# Allegro board reComputer J401_V1.0.brd (continued)
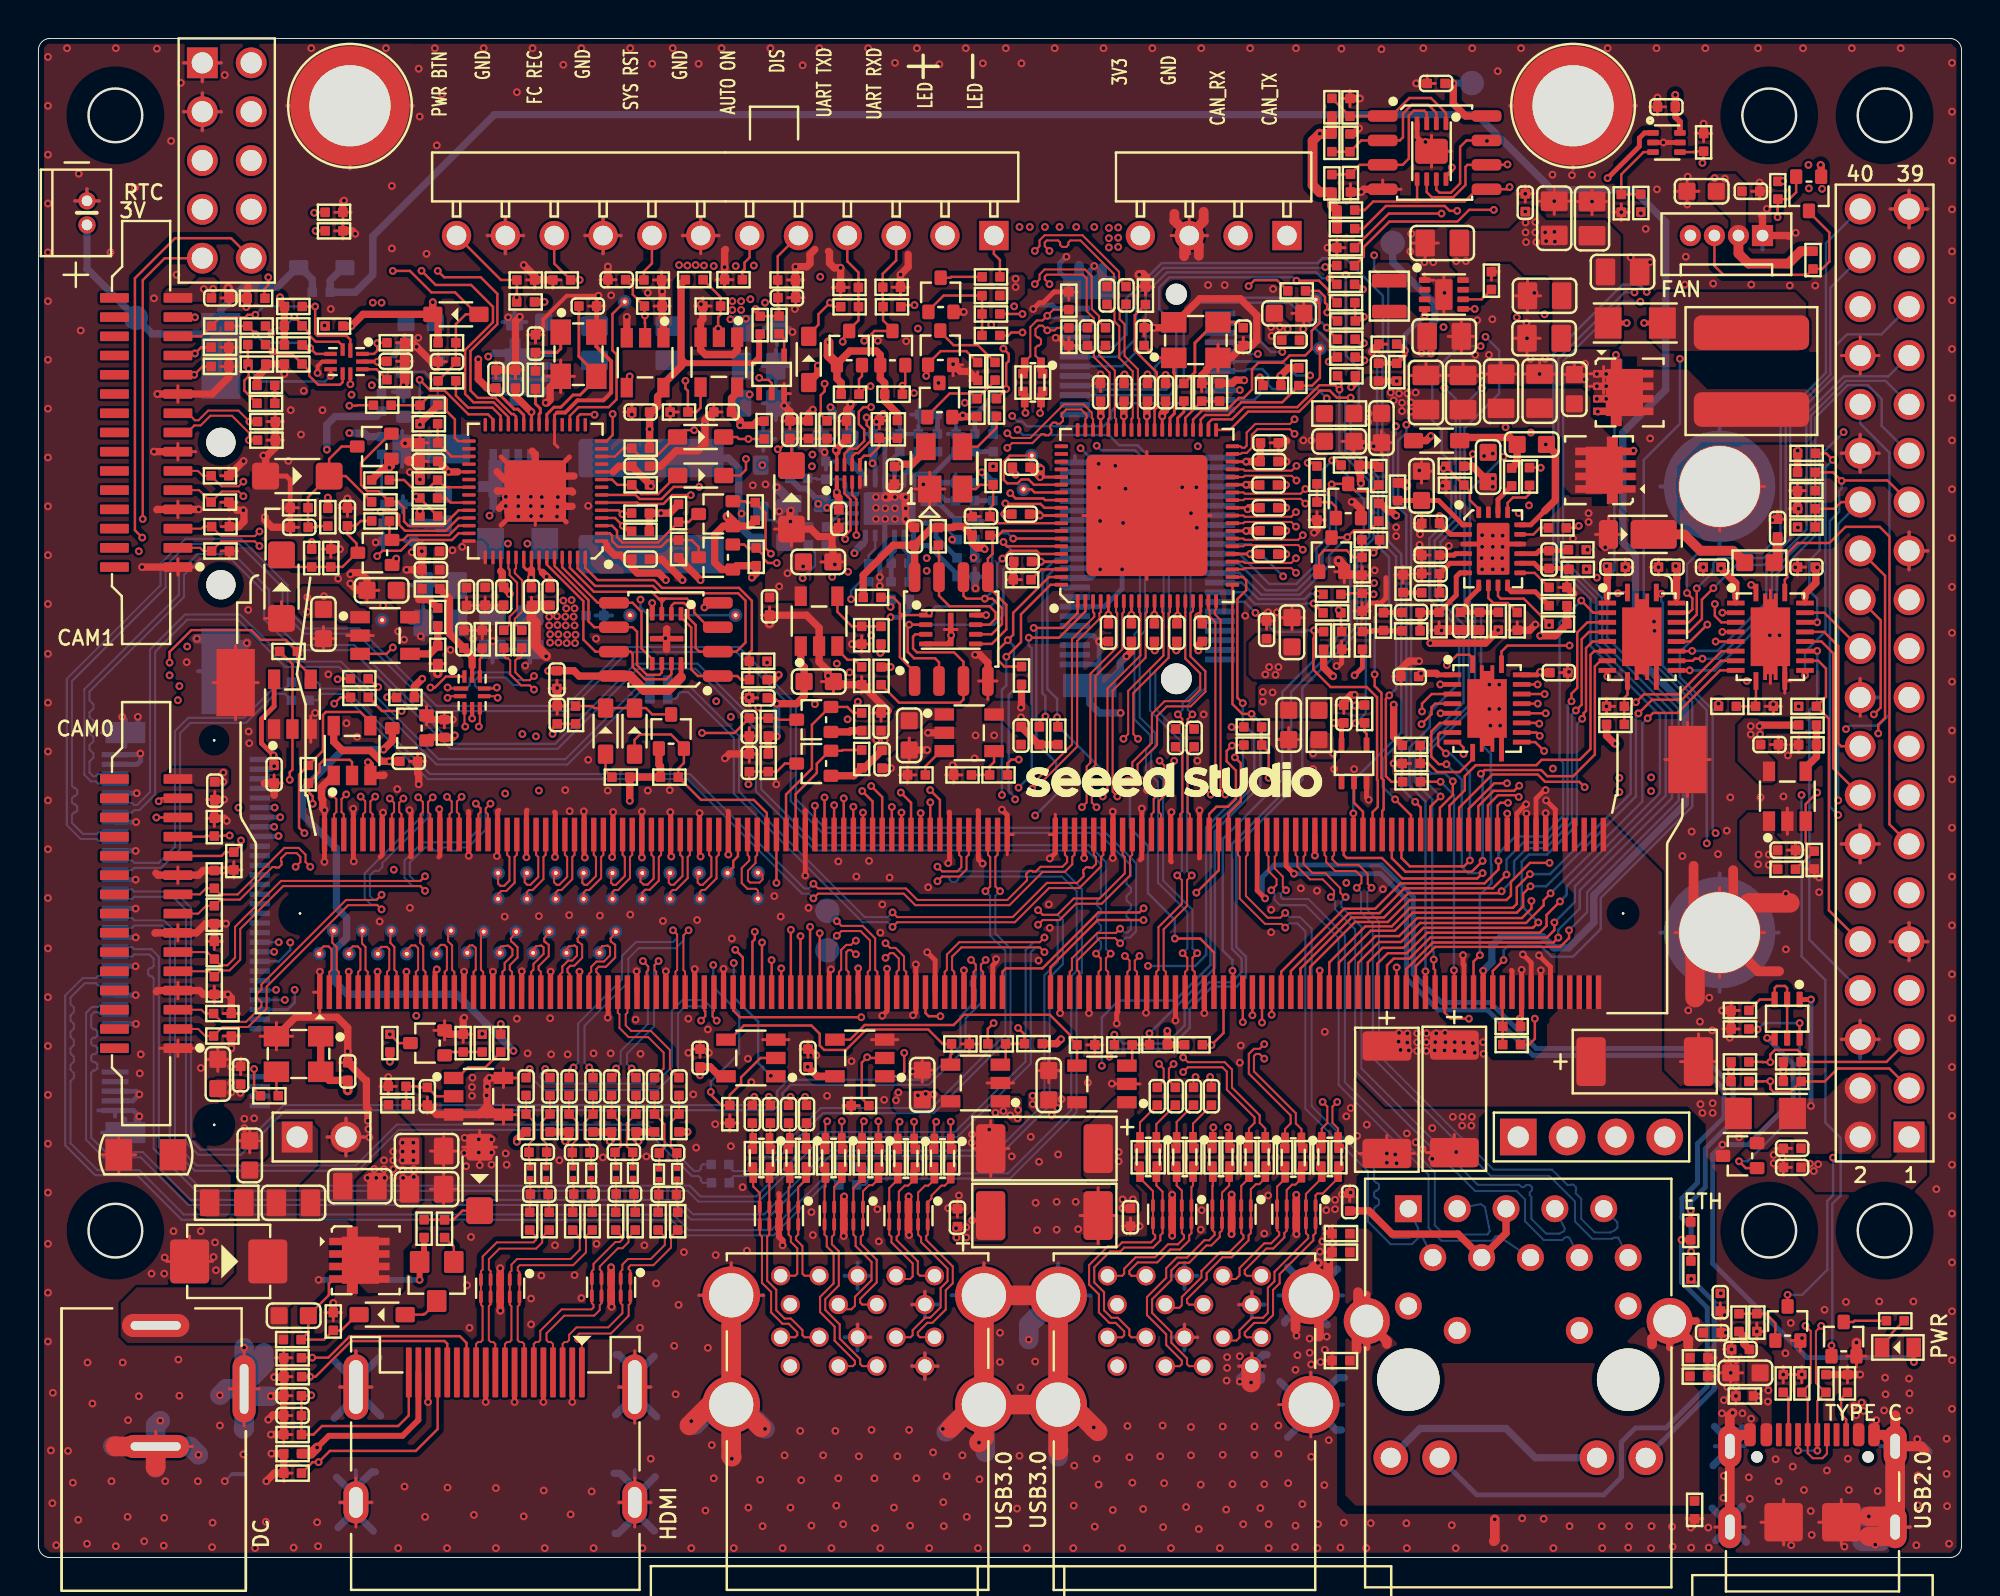
[diagram p0: board, top side]
## Routing (per net, layer and track width the routed paths; a pad name or vN(x,y) marks a point on that pad's centre or on a via; arc(x,y) is an arc through that point) (continued)
  LAY3 w0.127: v1(36,43.72) 36,45.07 37.12,46.18 37.12,50.22 37.53,50.63 37.53,51.65 v1(38.09,52.2) ; v1(76.36,40.27) 76.36,40.71 76.42,40.76 76.42,42.53 76.9,43.01 76.9,54.19 76.92,54.21 76.92,54.26 v1(76.97,54.31) 76.97,54.71 76.92,54.76 76.92,55.15 76.82,55.25 76.82,60.61 76.09,61.35 76.09,72.14 v1(76.39,72.45) 75.79,72.45 73.77,70.43 v1(73.77,70.04)
  LAY4 w0.127: v1(76.97,54.31) 76.31,53.65 73.82,53.65 69.81,49.64 67.98,49.64 v1(67.61,49.27) 67.22,48.88 65.98,48.88 65.44,48.34 52.55,48.34 52.12,48.78 50.96,48.78 50.46,48.27 48.15,48.27 44.87,51.54 43.75,51.54 42.46,50.25 40.83,50.25 40.42,50.65 40.42,51.52 39.98,51.96 39.19,51.96 38.55,51.32 38.06,51.32 37.81,51.57 37.81,51.93 v1(38.09,52.2) ; v1(36,43.72) 24.24,43.72 22.82,42.3 20.61,42.3 v1(18.88,44.03)
I2C2_SDA: length 124.9
  TOP w0.127: 71.82,70.52 71.69,70.64 ; 71.82,70.52 74.16,70.52 74.8,71.16 U40.5 76.38,71.16 v1(76.5,71.27) ; 71.82,70.52 71.67,70.52 ; 71.69,70.64 71.69,70.54 71.67,70.52 ; 71.69,70.64 U41.5 ; 71.69,70.64 71.56,70.52 ; v1(17.67,45.27) 17.62,45.27 R112.1 ; v1(38.39,51.72) 37.93,51.72 37.68,51.98 37.68,52.15 R132.2 36.88,52.5 36.7,52.68 Q18.2 ; R128.1 68.17,50.09 68.22,50.15 D24.2 69.35,50.15 69.4,50.1 v1(69.43,50.1) ; 71.56,70.52 69.4,70.52 68.96,70.07 R236.2 ; 71.56,70.52 71.67,70.52 ; J11.234 74.87,39.08 75.67,39.87 76.73,39.87 v1(77,40.14)
  LAY3 w0.127: v1(38.39,51.72) 37.91,51.24 37.91,50.48 37.43,49.99 v1(37.43,44.2) ; v1(76.5,71.27) 76.42,71.19 76.42,61.45 77.15,60.71 77.15,55.47 77.51,55.11 v1(77.51,54.72) 77.51,49.33 77.18,49 77.18,42.93 77,42.76 v1(77,40.14)
  LAY4 w0.127: v1(37.43,44.2) 35.83,44.2 35.67,44.05 20.05,44.05 18.83,45.27 v1(17.67,45.27) ; v1(38.39,51.72) 38.95,52.28 40.17,52.28 40.68,51.77 40.68,50.81 40.93,50.55 42.4,50.55 43.67,51.82 45.02,51.82 48.25,48.6 50.35,48.6 50.88,49.12 52.15,49.12 52.69,48.57 65.24,48.57 65.8,49.13 66.84,49.13 67.8,50.1 v1(69.43,50.1) 69.85,50.1 73.76,54.01 76.06,54.01 76.77,54.72 v1(77.51,54.72)
I2S0_LRCK: length 30.2
  TOP w0.127: v1(76.09,34.65) 75.98,34.55 71.23,34.55 69.96,33.28 68.28,33.28 65.62,30.63 J11.197 ; U37.5 80.63,48.14 80.25,47.75 80.25,44.35 v1(79.95,44.05)
  BOTTOM w0.127: v1(79.95,44.05) 79.74,43.85 79.74,38.26 78.37,36.89 77.41,36.89 76.73,36.22 76.73,35.3 v1(76.09,34.65)
I2S0_LRCK_LS: length 24.2
  TOP w0.127: v1(87.1,50.41) 86.5,49.82 86.5,48.81 85.83,48.14 U37.16
  BOTTOM w0.127: J10.35 95.83,63.61 94.04,63.61 93.46,63.02 93.46,61.48 91.09,59.1 91.09,52.96 89.75,51.62 88.3,51.62 v1(87.1,50.41)
I2S0_SCLK: length 32.4
  TOP w0.127: J11.199 66.12,30.71 68.47,33.05 70.17,33.05 71.31,34.2 76.34,34.2 76.57,34.42 76.57,35.14 77.56,36.13 v1(78.57,36.13) ; v1(82.13,50.15) 82.28,50.15 82.32,50.19 U37.1
  LAY3 w0.127: v1(78.57,36.13) 81.11,38.67 81.11,44.69 82.13,45.7 v1(82.13,50.15)
I2S0_SCLK_LS: length 23.3
  TOP w0.127: v1(84.39,50.12) 84.33,50.19 U37.20
  LAY4 w0.127: v1(86.75,37.14) 92.16,37.14 J10.12
  BOTTOM w0.127: v1(86.75,37.14) 86.75,44.07 84.47,46.36 84.47,49.65 84.39,49.73 v1(84.39,50.12)
I2S0_SDIN: length 30.9
  TOP w0.127: v1(79.72,44.53) 79.72,44.93 80.02,45.23 80.02,48.11 80.54,48.64 U37.4 ; v1(76.34,35.52) 75.63,34.81 71.03,34.81 69.74,33.51 68.13,33.51 65.12,30.5 J11.195
  BOTTOM w0.127: v1(76.34,35.52) 76.34,36.3 77.23,37.19 78.32,37.19 79.51,38.39 79.51,44.33 v1(79.72,44.53)
I2S0_SDIN_LS: length 24.7
  TOP w0.127: v1(86.23,50.4) 86.23,49.04 85.83,48.64 U37.17
  BOTTOM w0.127: J10.38 93.18,66.04 93.18,61.52 90.86,59.2 90.86,53.11 89.72,51.98 87.36,51.98 87.1,51.71 87.1,51.27 v1(86.23,50.4)
I2S0_SDOUT: length 32.9
  TOP w0.127: v1(80.23,49.77) 80.85,49.14 U37.3 ; v1(75.92,36.23) 75.92,35.78 75.2,35.06 70.83,35.06 69.51,33.74 67.9,33.74 64.62,30.47 J11.193
  BOTTOM w0.127: v1(80.23,49.77) 79.1,48.64 79.1,41.52 79.29,41.33 79.29,38.56 78.22,37.5 76.8,37.5 75.92,36.62 v1(75.92,36.23)
I2S0_SDOUT_LS: length 27.5
  TOP w0.127: v1(85.72,50.16) 86,49.88 86,49.31 85.83,49.14 U37.18
  BOTTOM w0.127: v1(85.72,50.16) 85.72,51.66 86.32,52.26 89.63,52.26 90.59,53.21 90.59,59.25 92.95,61.61 92.95,68.35 J10.40
I2S1_LRCK: length 41.1
  TOP w0.127: v1(72.91,39.58) 72.38,39.05 J11.224
  LAY4 w0.127: v1(75.04,60.81) 74.61,60.38 72.96,60.38 71.54,61.81 66.76,61.81 66.38,62.19 63.82,62.19 v1(63.41,62.59)
  BOTTOM w0.127: v1(63.41,62.59) 62.93,62.59 62.82,62.7 J20.10 ; v1(72.91,39.58) 71.89,40.6 71.89,41.84 74.38,44.33 74.38,48.7 72.91,50.17 72.91,52.81 73.93,53.83 73.93,59.7 v1(75.04,60.81)
I2S1_SCLK: length 44
  TOP w0.127: v1(73.55,40.37) 73.55,39.66 72.87,38.99 J11.226
  LAY4 w0.127: v1(64.68,62.69) 65.07,62.69 65.3,62.47 66.84,62.47 67.25,62.87 67.96,62.87 68.64,63.56 75.04,63.56 75.12,63.48 v1(75.25,63.48)
  BOTTOM w0.127: J20.8 63.59,63.2 64.1,62.69 v1(64.68,62.69) ; v1(73.55,40.37) 73.14,40.77 72.43,40.77 72.22,40.98 72.22,41.85 74.7,44.33 74.7,48.84 74.15,49.38 74.15,58.73 75.96,60.54 75.96,62.77 v1(75.25,63.48)
I2S1_SDIN: length 33.4
  TOP w0.127: v1(71.59,39.3) 71.87,39.02 J11.222
  LAY4 w0.127: v1(71.13,58.91) 70.81,59.23 70.71,59.23 68.64,61.3 66.31,61.3 v1(66.13,61.48)
  BOTTOM w0.127: v1(66.13,61.48) 65.4,61.48 64.68,62.2 J20.12 ; v1(71.59,39.3) 70.88,40.01 70.88,42.15 71.38,42.65 71.38,54.32 70.7,55 70.7,58.08 71.13,58.52 v1(71.13,58.91)
I2S1_SDOUT: length 33.4
  TOP w0.127: J11.220 71.38,38.6 v1(70.55,39.43)
  LAY4 w0.127: v1(70.59,58.83) 69.52,59.9 67.37,59.9 v1(66.99,60.28)
  BOTTOM w0.127: J20.14 62.75,61.7 62.85,61.81 63.64,61.81 63.94,61.5 63.94,60.99 64.17,60.76 66.51,60.76 v1(66.99,60.28) ; v1(70.59,58.83) 70.59,58.44 70.45,58.3 70.45,54.9 71.13,54.21 71.13,42.76 69.91,41.54 69.91,40.06 v1(70.55,39.43)
ID_I2C_SCL: length 59.1
  TOP w0.127: 94.87,54.89 J10.28 93.74,54.89 93.39,54.54 D28.2 R139.2 ; J11.185 v1(62.62,27.85)
  LAY4 w0.127: v1(62.62,27.85) 62.62,28.56 63.26,29.19 78.45,29.19 80.89,31.63 80.89,34.75 84.62,38.49 92.7,38.49 v1(93.59,39.38)
  BOTTOM w0.127: J10.28 93.59,53.75 v1(93.59,39.38)
ID_I2C_SDA: length 62.3
  TOP w0.127: D30.2 R154.2 93.32,56.43 v1(93.76,55.99) 93.79,56.01 96.15,56.01 J10.27 97.41,54.89 ; J11.187 v1(63.12,28.2)
  LAY4 w0.127: v1(63.12,28.2) 63.12,28.42 63.64,28.94 78.52,28.94 81.11,31.54 81.11,34.53 84.82,38.23 93.2,38.23 v1(93.59,38.62)
  BOTTOM w0.127: v1(93.59,38.62) 93.15,39.05 93.15,53.91 93.64,54.39 93.64,55.47 93.76,55.6 v1(93.76,55.99)
IFP_TERM_EN: length 48.3
  TOP w0.381: R61.1 R63.1 31.07,21.78 v1(31.2,21.65) ; R60.1 R64.1 29.8,21.75 v1(29.7,21.65) ; v1(24.88,21.62) 24.88,21.75 25.27,22.14 R58.1 ; v1(17.94,42.02) 18.4,42.48 Q16.3 ; R62.1 v1(33.75,22.14) ; v1(27.39,21.65) 27.59,21.85 R59.1 R57.1
  LAY3 w0.381: v1(24.88,21.62) 24.33,22.17 24.33,25.98 v1(24.7,26.35)
  LAY4 w0.381: v1(33.75,22.14) 33.26,21.65 v1(31.2,21.65) v1(29.7,21.65) v1(27.39,21.65) 27.37,21.62 v1(24.88,21.62)
  BOTTOM w0.381: v1(24.7,26.35) 21.75,29.29 16.06,29.29 15.38,29.98 15.38,31.58 16.02,32.22 16.02,33.27 15.49,33.8 15.49,36.88 13.73,38.64 13.73,39.91 15.84,42.02 v1(17.94,42.02)
ILIM_DC1: length 2.6
  BOTTOM w0.254: U9.10 46.3,53.8 46.67,53.42 46.67,53.08 R82.1
ILIM_DC2: length 2.7
  TOP w0.254: U10.10 76.4,50.42 76.59,50.22 77.83,50.22 R252.1
LED0_CTRL: length 63.1
  TOP w0.127: v1(63.97,40.55) 63.97,41.89 R97.2 R103.2 ; Q2.1 v1(93.24,11.03)
  LAY4 w0.127: v1(91.68,39.66) 90.74,38.72 84.42,38.72 82.97,37.27 67.25,37.27 v1(63.97,40.55)
  BOTTOM w0.127: v1(91.68,39.66) 91.68,31.27 92.93,30.03 92.93,22.61 93.71,21.83 93.71,18.83 93.28,18.4 93.28,11.07 v1(93.24,11.03)
LED1_CTRL: length 5.3
  TOP w0.127: R206.2 R214.2 R226.2 47.07,65.63 46.28,64.84 Q31.1
M2_SDIO_CLK: length 46.6
  TOP w0.127: v1(70.24,44.84) 70.07,44.66 70.07,40.63 70.36,40.34 R81.1
  BOTTOM w0.127: J20.9 55.92,62.95 56.58,63.61 56.58,65.49 58.41,67.32 66.51,67.32 66.76,67.57 67.96,67.57 69.91,65.62 69.91,62.64 69.61,62.34 69.61,58.35 69.91,58.05 69.91,52.74 70.6,52.05 70.6,45.19 v1(70.24,44.84)
M2_SDIO_CMD: length 16.9
  TOP w0.127: v1(66.92,67.11) 67.08,67.11 67.16,67.19 R231.1
  BOTTOM w0.127: J20.11 56.13,62.45 57.08,63.4 57.08,65.64 58.5,67.06 66.86,67.06 v1(66.92,67.11)
M2_SDIO_D0: length 17.4
  TOP w0.127: R227.1 67.2,66.53 v1(67.14,66.53)
  BOTTOM w0.127: J20.13 56.33,61.95 57.58,63.19 57.58,65.73 58.69,66.83 66.45,66.83 66.75,66.53 v1(67.14,66.53)
M2_SDIO_D1: length 19.7
  TOP w0.127: R223.1 67.09,65.7 67.09,65.9 66.59,66.4 v1(65.42,66.4)
  BOTTOM w0.127: v1(65.42,66.4) 65.4,66.4 65.23,66.58 58.81,66.58 58.28,66.05 58.28,64.93 58.58,64.62 58.58,62.44 58.06,61.92 58.06,61.33 57.75,61.02 55.18,61.02 54.75,61.45 J20.15
M2_SDIO_D2: length 18.4
  TOP w0.127: R202.1 67.54,63.36 67.25,63.66 67.25,63.71 v1(66.99,63.96)
  BOTTOM w0.127: v1(66.99,63.96) 66.71,64.24 66.41,64.24 65.14,65.51 60.32,65.51 59.17,64.36 59.17,61.27 58.64,60.74 55.08,60.74 54.87,60.95 J20.17
M2_SDIO_D3: length 19.8
  TOP w0.127: v1(67.09,62.19) 67.09,62.3 67.22,62.43 R195.1
  BOTTOM w0.127: J20.19 58.83,60.45 59.55,61.17 59.55,64.42 60.39,65.26 65.06,65.26 67.37,62.95 67.37,62.47 v1(67.09,62.19)
M2_USB2_AP_N: length 6.2
  TOP w0.107: D40.2 52.97,63.95 52.84,63.82 v1(52.46,63.82) 52.21,64.06 52.03,64.06 51.85,63.88 51.85,63.55 51.95,63.45 52.03,63.45 52.13,63.34 52.13,63.13 52.03,63.02 51.95,63.02 51.85,62.91 51.85,62.5 52.14,62.21 L27.1 52.14,61.64 R184.1
  BOTTOM w0.107: v1(52.46,63.82) 52.59,63.95 J20.5
M2_USB2_AP_P: length 6.4
  TOP w0.107: R183.1 51.29,61.66 L27.4 51.29,62.18 51.58,62.47 51.58,63.99 51.92,64.33 52.21,64.33 v1(52.46,64.58) 52.78,64.9 D42.2
  BOTTOM w0.107: J20.3 52.59,64.45 v1(52.46,64.58)
M2E_ALERT*: length 39.3
  TOP w0.127: J11.212 69.38,38.77 69.64,39.04 69.64,40.41 69.61,40.44 69.61,44.74 69.07,45.27 67.2,45.27 66.3,46.17 66.3,47.79 66.33,47.82 v1(66.33,48.22) 66.51,48.22 66.57,48.15 R124.2 ; v1(62.93,66.12) 63.23,66.43 64.41,66.43 R285.2
  LAY3 w0.127: v1(62.93,66.12) 62.98,66.07 62.98,61.86 63.13,61.7 63.13,61.23 63.79,60.57 63.79,50.78 63.28,50.27 v1(63.28,49.13)
  BOTTOM w0.127: J20.62 62.72,49.7 v1(63.28,49.13) 64.27,48.14 65.86,48.14 65.94,48.22 v1(66.33,48.22)
M2E_SUSCLK_32KHZ: length 18.2
  TOP w0.127: U16.4 69.06,42.84 68.96,42.94 R106.2 68.51,43.41 v1(68.49,43.39)
  LAY4 w0.127: v1(64.72,51.03) 65,50.75 68.99,50.75 69.06,50.68 v1(69.46,50.68)
  BOTTOM w0.127: v1(64.72,51.03) 63.05,52.7 J20.50 ; v1(69.46,50.68) 69.02,50.25 69.02,43.92 v1(68.49,43.39)
M2M_ALERT*: length 103.7
  TOP w0.127: R285.1 66.58,65.87 66.9,65.56 66.9,65.26 67.02,65.15 v1(67.02,64.75) 67.04,64.75 67.49,64.31 R213.1 ; R108.2 18.15,44.72 v1(18.14,44.74)
  LAY3 w0.127: v1(18.14,44.74) 17.67,44.74 16.62,45.79 16.62,60.13 v1(16.28,60.47) ; v1(7.33,45.32) 7.66,44.99 7.66,39.17 11.63,35.2 11.63,33.45 v1(13.09,31.99)
  LAY4 w0.127: v1(67.02,64.75) 66.86,64.6 65.18,64.6 65,64.78 62.11,64.78 61.91,64.57 60.98,64.57 59.05,62.64 51,62.64 50.34,63.3 45.71,63.3 45.33,63.69 40.58,63.69 39.57,62.68 36.73,62.68 36.46,62.95 29.37,62.95 28.23,64.09 21.37,64.09 18.88,61.6 17.41,61.6 v1(16.28,60.47) ; v1(18.14,44.74) 15.68,44.74 15.25,45.17 7.96,45.17 7.81,45.32 v1(7.33,45.32)
  BOTTOM w0.127: J18.44 12.5,31 13.09,31.59 v1(13.09,31.99)
M2M_SUSCLK_32KHZ: length 2.2
  TOP w0.127: R268.2 11.21,24.34 v1(11.21,25.41)
  BOTTOM w0.127: v1(11.21,25.41) 11.21,25.13 11.34,25 J18.68
MCT: length 10.9
  TOP w0.381: C9.1 69.19,18.02 70.4,16.82 73.82,16.82 J6.4 76.32,16.87 J6.5
MCU_ADC0: length 10.6
  TOP w0.127: Q23.2 18.29,58.45 16.78,56.93 16.78,55.79 17.11,55.46 17.69,55.46 R147.1 18.69,54.9 19.01,54.58 19.01,53.88 19.24,53.65 21.04,53.65 21.84,54.46 U29.38
MCU_ADC1: length 9.4
  TOP w0.127: U29.39 21.84,54.06 21.18,53.4 19.06,53.4 18.76,53.7 18.76,54.21 18.58,54.39 v1(17.79,54.39)
  BOTTOM w0.127: C200.1 17.92,54.26 v1(17.79,54.39) 18.03,54.62 R263.1 18.03,55.21 17.84,55.4 R262.2
MCU_ADC2: length 5.4
  TOP w0.127: U29.40 21.84,53.66 21.35,53.17 19.21,53.17 18.96,52.92 Q20.2 18.25,53.05 R137.1
MCU_ADC3: length 8.9
  TOP w0.127: v1(17.61,52.08) 17.89,52.36 18.84,52.36 19.39,52.91 21.5,52.91 21.84,53.26 U29.41
  LAY3 w0.127: TP29.1 17.84,48.75 17.44,49.16 17.44,49.89 17.61,50.07 v1(17.61,52.08)
MCU_I2C0_SCL: length 6.2
  TOP w0.127: U29.3 29.83,53.66 30.09,53.4 30.09,53.07 30.37,52.79 32.22,52.79 R138.2 33.82,53.85 34.23,54.27 Q21.3
MCU_I2C0_SDA: length 6.3
  TOP w0.127: Q18.3 34.33,52.56 33.97,52.91 R133.2 32.73,52.91 32.37,52.56 30.14,52.56 29.83,52.86 29.83,53.14 29.71,53.26 U29.2
MCU_I2C1_SCL: length 12
  TOP w0.127: R146.2 30.42,54.31 v1(30.37,54.26) 30.17,54.46 U29.5
  LAY4 w0.127: v1(30.37,54.26) 31.3,53.32 v1(31.3,49.82)
  BOTTOM w0.127: TP31.1 31.73,49 31.3,49.42 v1(31.3,49.82)
MCU_I2C1_SDA: length 6.6
  TOP w0.127: R136.2 30.67,53.37 v1(30.39,53.65) 29.98,54.06 U29.4
  LAY4 w0.127: v1(30.39,53.65) 30.76,53.28 TP32.1
MCU_RST: length 23
  TOP w0.127: D55.2 v1(14.41,68.99) ; FB5.1 21.71,62.12 C145.1 R201.2 21.71,64.14 22.22,64.65 22.81,64.65 ; 22.81,64.65 21.66,65.79 20.43,65.79 19.32,66.91 v1(18.43,66.91) ; 22.81,64.65 D41.1
  LAY4 w0.127: v1(18.43,66.91) 17.44,66.91 16.04,68.31 15.1,68.31 v1(14.41,68.99) 12.71,70.7 12.71,71.53 12.15,72.09 12.15,74.1 J17.4
MCU_UART1_RX: length 59.7
  TOP w0.127: v1(34.36,55.68) 33.03,55.68 32.4,55.05 31.27,55.05 31.05,55.26 U29.7 ; v1(5.42,54.01) 5.42,66.43 6.57,67.57 J17.9
  LAY4 w0.127: v1(5.42,54.01) 5.47,53.96 10.73,53.96 12.99,56.22 15.51,56.22 19.29,60 20.03,60 20.89,60.87 20.89,61.6 22.39,63.1 27.49,63.1 30.45,60.14 33.32,60.14 33.59,59.88 33.59,57 34.36,56.24 v1(34.36,55.68)
MCU_UART1_TX: length 64.2
  TOP w0.127: J17.10 10.02,68.61 7.1,68.61 5.02,66.53 5.02,53.42 v1(5.4,53.04) ; U29.6 31.13,54.86 31.2,54.8 32.5,54.8 32.96,55.25 v1(33.92,55.25)
  LAY4 w0.127: v1(33.92,55.25) 33.92,56.35 33.25,57.02 33.25,59.71 33.07,59.89 30.38,59.89 27.39,62.87 22.62,62.87 21.31,61.56 21.31,60.88 20.15,59.72 19.47,59.72 15.73,55.98 13.09,55.98 10.83,53.72 6.08,53.72 v1(5.4,53.04)
MCU_USB_DN: length 8.7
  TOP w0.107: v1(23.84,45.24) 23.79,45.19 U20.7 ; v1(25.77,45.14) 25.55,45.35 25.1,45.35 24.53,45.92 24.53,46.66 24.42,46.77 24.3,46.77 24.19,46.87 R120.1
  BOTTOM w0.107: v1(25.77,45.14) 25.54,45.37 24.71,45.37 24.31,45.76 22.83,45.76 22.69,45.62 22.69,45.5 22.69,45.35 22.8,45.25 v1(23.84,45.24)
MCU_USB_DP: length 8.7
  TOP w0.107: R121.1 25.13,46.87 25.03,46.77 24.91,46.77 24.8,46.66 24.8,46.04 25.21,45.62 25.55,45.62 v1(25.77,45.84) ; U20.1 21.33,45.19 v1(21.28,45.25)
  BOTTOM w0.107: v1(25.77,45.84) 25.56,45.64 24.82,45.64 24.42,46.03 22.72,46.03 22.42,45.73 22.42,45.5 22.42,45.35 22.32,45.25 v1(21.28,45.25)
MOD_SLEEP*: length 44.9
  TOP w0.127: R206.1 50.43,63.55 50.59,63.71 v1(51.17,63.71) ; J11.178 60.87,38.67 61.26,39.05 61.86,39.05 62.27,39.45 62.27,40.93 61.79,41.41 61.79,41.94 v1(62.06,42.22) 62.09,42.25 R97.1 ; v1(50.98,41.5) 50.58,41.5 50.39,41.3 R87.1
  LAY3 w0.127: v1(51.17,63.71) 53.23,61.65 53.23,55.91 51.07,53.75 51.07,45.19 51.73,44.53 51.73,42.25 v1(50.98,41.5)
  LAY4 w0.127: v1(50.98,41.5) 51.69,42.21 57.33,42.21 57.34,42.22 v1(62.06,42.22)
MODULE_ID: length 88.4
  TOP w0.127: R282.2 19.83,55.09 20.39,54.53 20.39,54.53 R273.2 ; J11.217 v1(70.62,30.69)
  LAY3 w0.127: v1(19.62,55.18) 18.02,53.58 18.02,51.9 17.87,51.75 17.87,50.12 19.47,48.52 19.47,46.72 20.78,45.41 20.78,42.01 22.4,40.39 22.4,39.4 22.36,39.36 22.36,38.26 20.89,36.79 20.89,34.45 19.39,32.95 19.39,31.86 19.77,31.48 19.77,28.3 v1(19.65,28.18)
  LAY4 w0.127: v1(70.62,30.69) 70.62,30.51 69.89,29.78 53.56,29.78 52.34,28.56 52.34,27.16 51.55,26.37 46.46,26.37 45.62,27.21 37.07,27.21 35.8,28.48 19.95,28.48 v1(19.65,28.18)
MR: length 2.8
  TOP w0.127: R172.2 49.82,58.76 48.83,57.77 U31.3
PC_LED-: length 2.3
  TOP w0.127: J15.1 49.68,67.8 50,67.48 R230.1
PCIE0_CLK_N: length 81.6
  TOP w0.107: v1(51.98,33.67) 52.22,33.42 52.99,33.42 53.83,34.27 55.18,34.27 56.49,35.58 56.49,36.43 56.37,36.54 J11.160
  BOTTOM w0.107: J18.53 3.2,28.75 3.09,28.63 2.78,28.63 2.48,28.33 2.48,21.72 3.39,20.81 5.32,20.81 7.8,18.33 33.17,18.33 33.92,17.58 37.86,17.58 41.17,20.9 49.96,20.9 52.58,23.52 52.58,30.17 53.27,30.86 53.27,33.16 53,33.42 52.22,33.42 v1(51.98,33.67)
PCIE0_CLK_P: length 81.4
  TOP w0.107: v1(51.98,32.91) 52.22,33.15 53.1,33.15 53.95,34 55.29,34 56.76,35.47 56.76,36.43 56.87,36.54 J11.162
  BOTTOM w0.107: J18.55 3.21,28.25 3.1,28.37 2.89,28.37 2.75,28.22 2.75,27.57 2.85,27.47 2.95,27.47 3.06,27.36 3.06,27.15 2.95,27.04 2.85,27.04 2.75,26.93 2.75,26.72 2.85,26.61 2.95,26.61 3.06,26.51 3.06,26.29 2.95,26.19 2.85,26.19 2.75,26.08 2.75,25.87 2.85,25.76 2.95,25.76 3.06,25.65 3.06,25.44 2.95,25.33 2.85,25.33 2.75,25.22 2.75,21.84 3.5,21.08 5.43,21.08 7.91,18.6 33.29,18.6 34.04,17.85 37.74,17.85 41.06,21.17 49.85,21.17 52.31,23.63 52.31,30.28 53,30.97 53,33.05 52.89,33.15 52.22,33.15 v1(51.98,32.91)
PCIE0_CLKREQ: length 60.4
  TOP w0.127: v1(60.21,34.58) 61.37,35.74 J11.180
  LAY4 w0.127: v1(12.81,29) 13.09,28.72 35.89,28.72 37.17,27.44 45.91,27.44 46.75,26.6 51.37,26.6 52.06,27.29 52.06,28.63 53.53,30.11 60.21,30.11 60.77,30.67 60.77,31.78 60.21,32.34 v1(60.21,34.58)
  BOTTOM w0.127: J18.52 v1(12.81,29)
PCIE0_RST: length 55.4
  TOP w0.127: R72.2 60.98,26.66 v1(61,26.65) 61.62,27.28 J11.181
  LAY4 w0.127: v1(12.36,29.52) 12.36,28.53 13.22,27.67 23.38,27.67 24.31,26.74 45.39,26.74 46.24,25.89 52.72,25.89 53.48,26.65 v1(61,26.65)
  BOTTOM w0.127: J18.50 12.33,29.5 v1(12.36,29.52)
PCIE0_RX0_N: length 75.9
  TOP w0.107: J11.131 47.12,30.46 47.24,30.57 47.24,31.36 47.88,32 52.07,32 v1(52.31,32.25)
  BOTTOM w0.107: v1(52.31,32.25) 52.07,32 51.74,32 51.33,31.59 51.33,25.8 47.66,22.13 40.68,22.13 37.32,18.78 34.43,18.78 33.87,19.34 8.29,19.34 6.26,21.37 6.26,31.25 5.88,31.63 4.98,31.63 4.87,31.75 J18.41
PCIE0_RX0_P: length 75.8
  TOP w0.107: J11.133 47.62,30.46 47.51,30.57 47.51,31.25 47.99,31.73 52.07,31.73 v1(52.31,31.49)
  BOTTOM w0.107: v1(52.31,31.49) 52.07,31.73 51.85,31.73 51.6,31.48 51.6,25.69 47.77,21.86 40.79,21.86 37.44,18.51 34.32,18.51 33.76,19.07 8.18,19.07 5.99,21.26 5.99,30.12 5.88,30.23 5.81,30.23 5.7,30.34 5.7,30.55 5.81,30.66 5.88,30.66 5.99,30.76 5.99,31.14 5.76,31.37 4.98,31.37 4.87,31.25 J18.43
PCIE0_RX1_N: length 66.1
  TOP w0.107: J11.137 48.62,30.46 48.74,30.57 48.74,30.83 v1(48.5,31.08)
  BOTTOM w0.107: J18.29 4.87,34.75 4.98,34.63 7.1,34.63 7.94,33.8 7.94,21.7 8.42,21.22 10.43,21.22 12.74,23.53 38.09,23.53 38.42,23.85 38.42,24.26 39,24.85 46.19,24.85 47.94,26.6 47.94,28.15 48.74,28.95 48.74,29.53 48.63,29.64 48.58,29.64 48.48,29.75 48.48,29.96 48.58,30.07 48.63,30.07 48.74,30.17 48.74,30.83 v1(48.5,31.08)
PCIE0_RX1_P: length 66.3
  TOP w0.107: v1(49.25,31.08) 49.01,30.83 49.01,30.57 49.12,30.46 J11.139
  BOTTOM w0.107: v1(49.25,31.08) 49.01,30.83 49.01,28.84 48.21,28.04 48.21,26.49 46.3,24.58 39.11,24.58 38.69,24.15 38.69,23.74 38.2,23.26 12.85,23.26 10.54,20.95 8.31,20.95 7.67,21.59 7.67,33.68 6.99,34.37 4.98,34.37 4.87,34.25 J18.31
PCIE0_RX2_N: length 92
  TOP w0.107: J11.149 53.62,30.46 53.74,30.57 53.74,31.15 55.07,32.48 56.03,32.48 v1(56.25,32.7)
  BOTTOM w0.107: 4.09,37.75 J18.17 3.15,37.75 3.04,37.63 2.31,37.63 1.74,38.21 1.74,38.64 1.85,38.74 1.91,38.74 2.02,38.85 2.02,39.06 1.91,39.17 1.85,39.17 1.74,39.28 1.74,39.49 1.85,39.6 1.91,39.6 2.02,39.7 2.02,39.92 1.91,40.02 1.85,40.02 1.74,40.13 1.74,45.57 6.62,50.45 6.62,51.57 7.76,52.71 10.43,52.71 12.69,50.45 12.69,49.18 13.82,48.05 16.56,48.05 20.59,44.02 27.56,44.02 30.63,47.08 36.3,47.08 39.11,44.27 39.11,39.34 40.77,37.69 55.12,37.69 56.81,36 56.81,35.46 56.7,35.36 56.68,35.36 56.58,35.25 56.58,35.04 56.68,34.93 56.7,34.93 56.81,34.82 56.81,34.61 56.7,34.5 56.68,34.5 56.58,34.4 56.58,34.18 56.68,34.08 56.7,34.08 56.81,33.97 56.81,33.76 56.7,33.65 56.68,33.65 56.58,33.54 56.58,33.33 56.68,33.22 56.7,33.22 56.81,33.12 56.81,32.67 56.64,32.51 56.44,32.51 v1(56.25,32.7)
PCIE0_RX2_P: length 92.2
  TOP w0.107: J11.151 54.12,30.46 54.01,30.57 54.01,31.04 55.18,32.21 55.98,32.21 v1(56.25,31.95)
  BOTTOM w0.107: v1(56.25,31.95) 56.54,32.24 56.76,32.24 57.08,32.56 57.08,36.11 55.23,37.95 40.88,37.95 39.38,39.45 39.38,44.38 36.41,47.35 30.52,47.35 27.45,44.29 20.7,44.29 16.67,48.32 13.93,48.32 12.96,49.29 12.96,50.56 10.54,52.98 7.65,52.98 6.35,51.68 6.35,50.56 1.47,45.69 1.47,38.1 2.2,37.37 3.04,37.37 3.15,37.25 J18.19 4.09,37.25
PCIE0_RX3_N: length 82.6
  TOP w0.107: v1(55,31.41) 55.24,31.16 55.24,30.57 55.12,30.46 J11.155
  BOTTOM w0.107: J18.5 3.1,40.75 2.99,40.63 2.84,40.63 2.65,40.82 2.65,41.39 2.86,41.59 2.86,41.82 2.65,42.02 2.65,42.24 2.86,42.45 2.86,42.67 2.65,42.87 2.65,43.1 2.86,43.3 2.86,43.52 2.65,43.73 2.65,43.95 2.86,44.15 2.86,44.38 2.65,44.58 2.65,45.04 7.57,49.96 7.57,51.1 8.38,51.91 10.04,51.91 11.73,50.21 11.73,48.79 13.34,47.19 16.3,47.19 21.38,42.1 21.39,42.1 21.44,42.05 27,42.05 31.16,46.22 34.17,46.22 37.31,43.08 37.31,39.85 40.39,36.77 54.52,36.77 55.24,36.05 55.24,34.34 55.05,34.16 55.05,33.92 55.24,33.73 55.24,33.49 55.05,33.3 55.05,33.06 55.24,32.88 55.24,32.64 55.05,32.45 55.05,32.21 55.24,32.02 55.24,31.65 v1(55,31.41)
PCIE0_RX3_P: length 82.8
  TOP w0.107: v1(55.75,31.41) 55.51,31.16 55.51,30.57 55.62,30.46 J11.157
  BOTTOM w0.107: J18.7 3.1,40.25 2.99,40.37 2.73,40.37 2.38,40.71 2.38,45.15 7.3,50.07 7.3,51.21 8.27,52.18 10.15,52.18 12,50.32 12,48.9 13.45,47.45 16.41,47.45 21.49,42.37 21.5,42.37 21.55,42.32 26.89,42.32 31.05,46.49 34.28,46.49 37.58,43.19 37.58,39.96 40.5,37.04 54.63,37.04 55.51,36.16 55.51,31.65 v1(55.75,31.41)
PCIE0_TX0_M2_N: length 54.3
  BOTTOM w0.107: J18.47 3.1,30.25 2.99,30.13 2.82,30.13 2.3,30.14 1.39,29.23 1.39,21.43 2.95,19.88 5.13,19.88 7.44,17.57 32.9,17.57 33.71,16.76 38.22,16.76 41.19,19.72 41.29,19.72 C170.1
PCIE0_TX0_M2_P: length 54.2
  BOTTOM w0.107: C172.1 41.3,19.99 41.08,19.99 38.11,17.03 33.82,17.03 33.01,17.84 7.56,17.84 5.24,20.15 3.06,20.15 1.66,21.55 1.66,24.77 1.84,24.95 1.84,25.19 1.66,25.37 1.66,25.62 1.84,25.8 1.84,26.05 1.66,26.23 1.66,26.47 1.84,26.65 1.84,26.9 1.66,27.08 1.66,27.33 1.84,27.51 1.84,27.75 1.66,27.93 1.66,28.18 1.84,28.36 1.84,28.61 1.66,28.79 1.66,29.12 2.41,29.87 2.7,29.87 2.99,29.87 3.1,29.75 J18.49
PCIE0_TX0_N: length 36
  TOP w0.107: v1(46.75,35.93) 46.99,35.68 47.78,35.68 47.99,35.9 47.99,36.43 47.87,36.54 J11.134
  BOTTOM w0.107: C170.2 42.98,19.38 43.09,19.48 43.09,19.6 43.2,19.71 43.35,19.71 50.52,19.71 53.98,23.16 53.98,30.12 54.26,30.4 54.26,34.76 53.34,35.68 46.99,35.68 v1(46.75,35.93)
PCIE0_TX0_P: length 35.8
  TOP w0.107: v1(46.75,35.17) 46.99,35.41 47.89,35.41 48.26,35.78 48.26,36.43 48.37,36.54 J11.136
  BOTTOM w0.107: C172.2 42.99,20.32 43.1,20.21 43.09,20.09 43.2,19.98 43.35,19.98 50.41,19.98 53.71,23.27 53.71,30.23 53.99,30.51 53.99,34.65 53.23,35.41 47.92,35.41 47.81,35.31 47.81,35.24 47.71,35.14 47.49,35.14 47.39,35.24 47.39,35.31 47.28,35.41 46.99,35.41 v1(46.75,35.17)
PCIE0_TX1_M2_N: length 44.9
  BOTTOM w0.107: J18.35 4.87,33.25 4.98,33.13 6.53,33.13 7.1,32.57 7.1,21.52 8.23,20.39 16.51,20.39 18.63,22.51 31.69,22.51 34.1,20.1 34.33,20.1 34.44,20.21 34.44,20.34 34.55,20.45 C173.1
PCIE0_TX1_M2_P: length 44.9
  BOTTOM w0.107: C171.1 34.55,19.49 34.44,19.59 34.44,19.73 34.33,19.83 33.98,19.83 31.57,22.24 18.74,22.24 16.62,20.12 8.12,20.12 6.83,21.41 6.83,32.46 6.42,32.87 4.98,32.87 4.87,32.75 J18.37
PCIE0_TX1_N: length 28.8
  TOP w0.107: J11.140 49.37,36.54 49.49,36.43 49.49,34.9 v1(49.25,34.65)
  BOTTOM w0.107: C173.2 35.92,20.45 36.03,20.34 36.03,20.21 36.14,20.1 37.4,20.1 37.68,20.38 37.68,20.53 37.65,20.55 37.65,20.71 37.8,20.86 37.95,20.86 37.98,20.83 38.13,20.83 40.68,23.38 46.44,23.38 50.28,27.21 50.28,31.55 49.49,32.34 49.49,34.41 v1(49.25,34.65)
PCIE0_TX1_P: length 28.9
  TOP w0.107: J11.142 49.87,36.54 49.76,36.43 49.76,34.9 v1(50,34.65)
  BOTTOM w0.107: C171.2 36.03,19.59 36.03,19.73 36.14,19.83 37.52,19.83 40.79,23.11 46.56,23.11 50.55,27.1 50.55,31.67 49.76,32.45 49.76,34.41 v1(50,34.65)
PCIE0_TX2_M2_N: length 16.6
  BOTTOM w0.107: J18.23 4.87,36.25 4.98,36.13 6.27,36.13 7.1,36.96 7.1,42.98 7.79,43.68 10.69,43.68 12.2,45.19 12.82,45.19 C176.1
PCIE0_TX2_M2_P: length 16.6
  BOTTOM w0.107: J18.25 4.87,35.75 4.98,35.87 6.38,35.87 7.37,36.85 7.37,42.87 7.9,43.41 10.8,43.41 12.32,44.92 12.81,44.92 C174.1
PCIE0_TX2_N: length 47
  TOP w0.107: v1(40.3,35.04) 40.54,34.8 45.11,34.8 45.71,34.2 50.38,34.2 51.4,35.22 51.4,35.37 51.36,35.41 51.36,35.56 51.52,35.71 51.67,35.71 51.71,35.67 51.86,35.67 52.11,35.92 53.25,35.92 53.49,36.16 53.49,36.43 53.37,36.54 J11.148
  BOTTOM w0.107: v1(40.3,35.04) 40.05,34.8 39.82,34.8 33.87,40.75 20.36,40.75 15.92,45.19 14.72,45.19 14.61,45.29 14.61,45.42 14.51,45.52 C176.2
PCIE0_TX2_P: length 47.1
  TOP w0.107: J11.150 53.87,36.54 53.76,36.43 53.76,36.05 53.36,35.65 52.22,35.65 50.49,33.93 45.6,33.93 45,34.53 40.54,34.53 v1(40.3,34.28)
  BOTTOM w0.107: C174.2 14.51,44.58 14.61,44.69 14.61,44.81 14.72,44.92 15.81,44.92 20.25,40.48 33.76,40.48 39.71,34.53 40.05,34.53 v1(40.3,34.28)
PCIE0_TX3_M2_N: length 41.1
  BOTTOM w0.107: J18.11 4.87,39.25 4.98,39.13 5.13,39.13 5.8,39.8 5.8,47.22 7.62,49.04 10.49,49.04 12.94,46.59 15.73,46.59 20.81,41.51 27.39,41.51 31.16,45.28 31.45,45.28 C177.1
PCIE0_TX3_M2_P: length 41.1
  BOTTOM w0.107: C175.1 31.45,45.01 31.27,45.01 27.51,41.24 20.7,41.24 15.62,46.32 12.83,46.32 10.38,48.78 7.73,48.78 6.07,47.11 6.07,39.69 5.24,38.87 4.98,38.87 4.87,38.75 J18.13
